# Altium PCB multiplexor.PcbDoc (part 2 of 2)
Units mil, origin at the board's own origin, x right, y up, seen from the top; angles counter-clockwise.
Board outline 12350 x 17300 mil, 4 copper layers (Top Layer, Middle 1, Middle 2, Bottom Layer), stack 62.136 mil thick; 181 components, 213 nets, 913 pads, 101 vias.
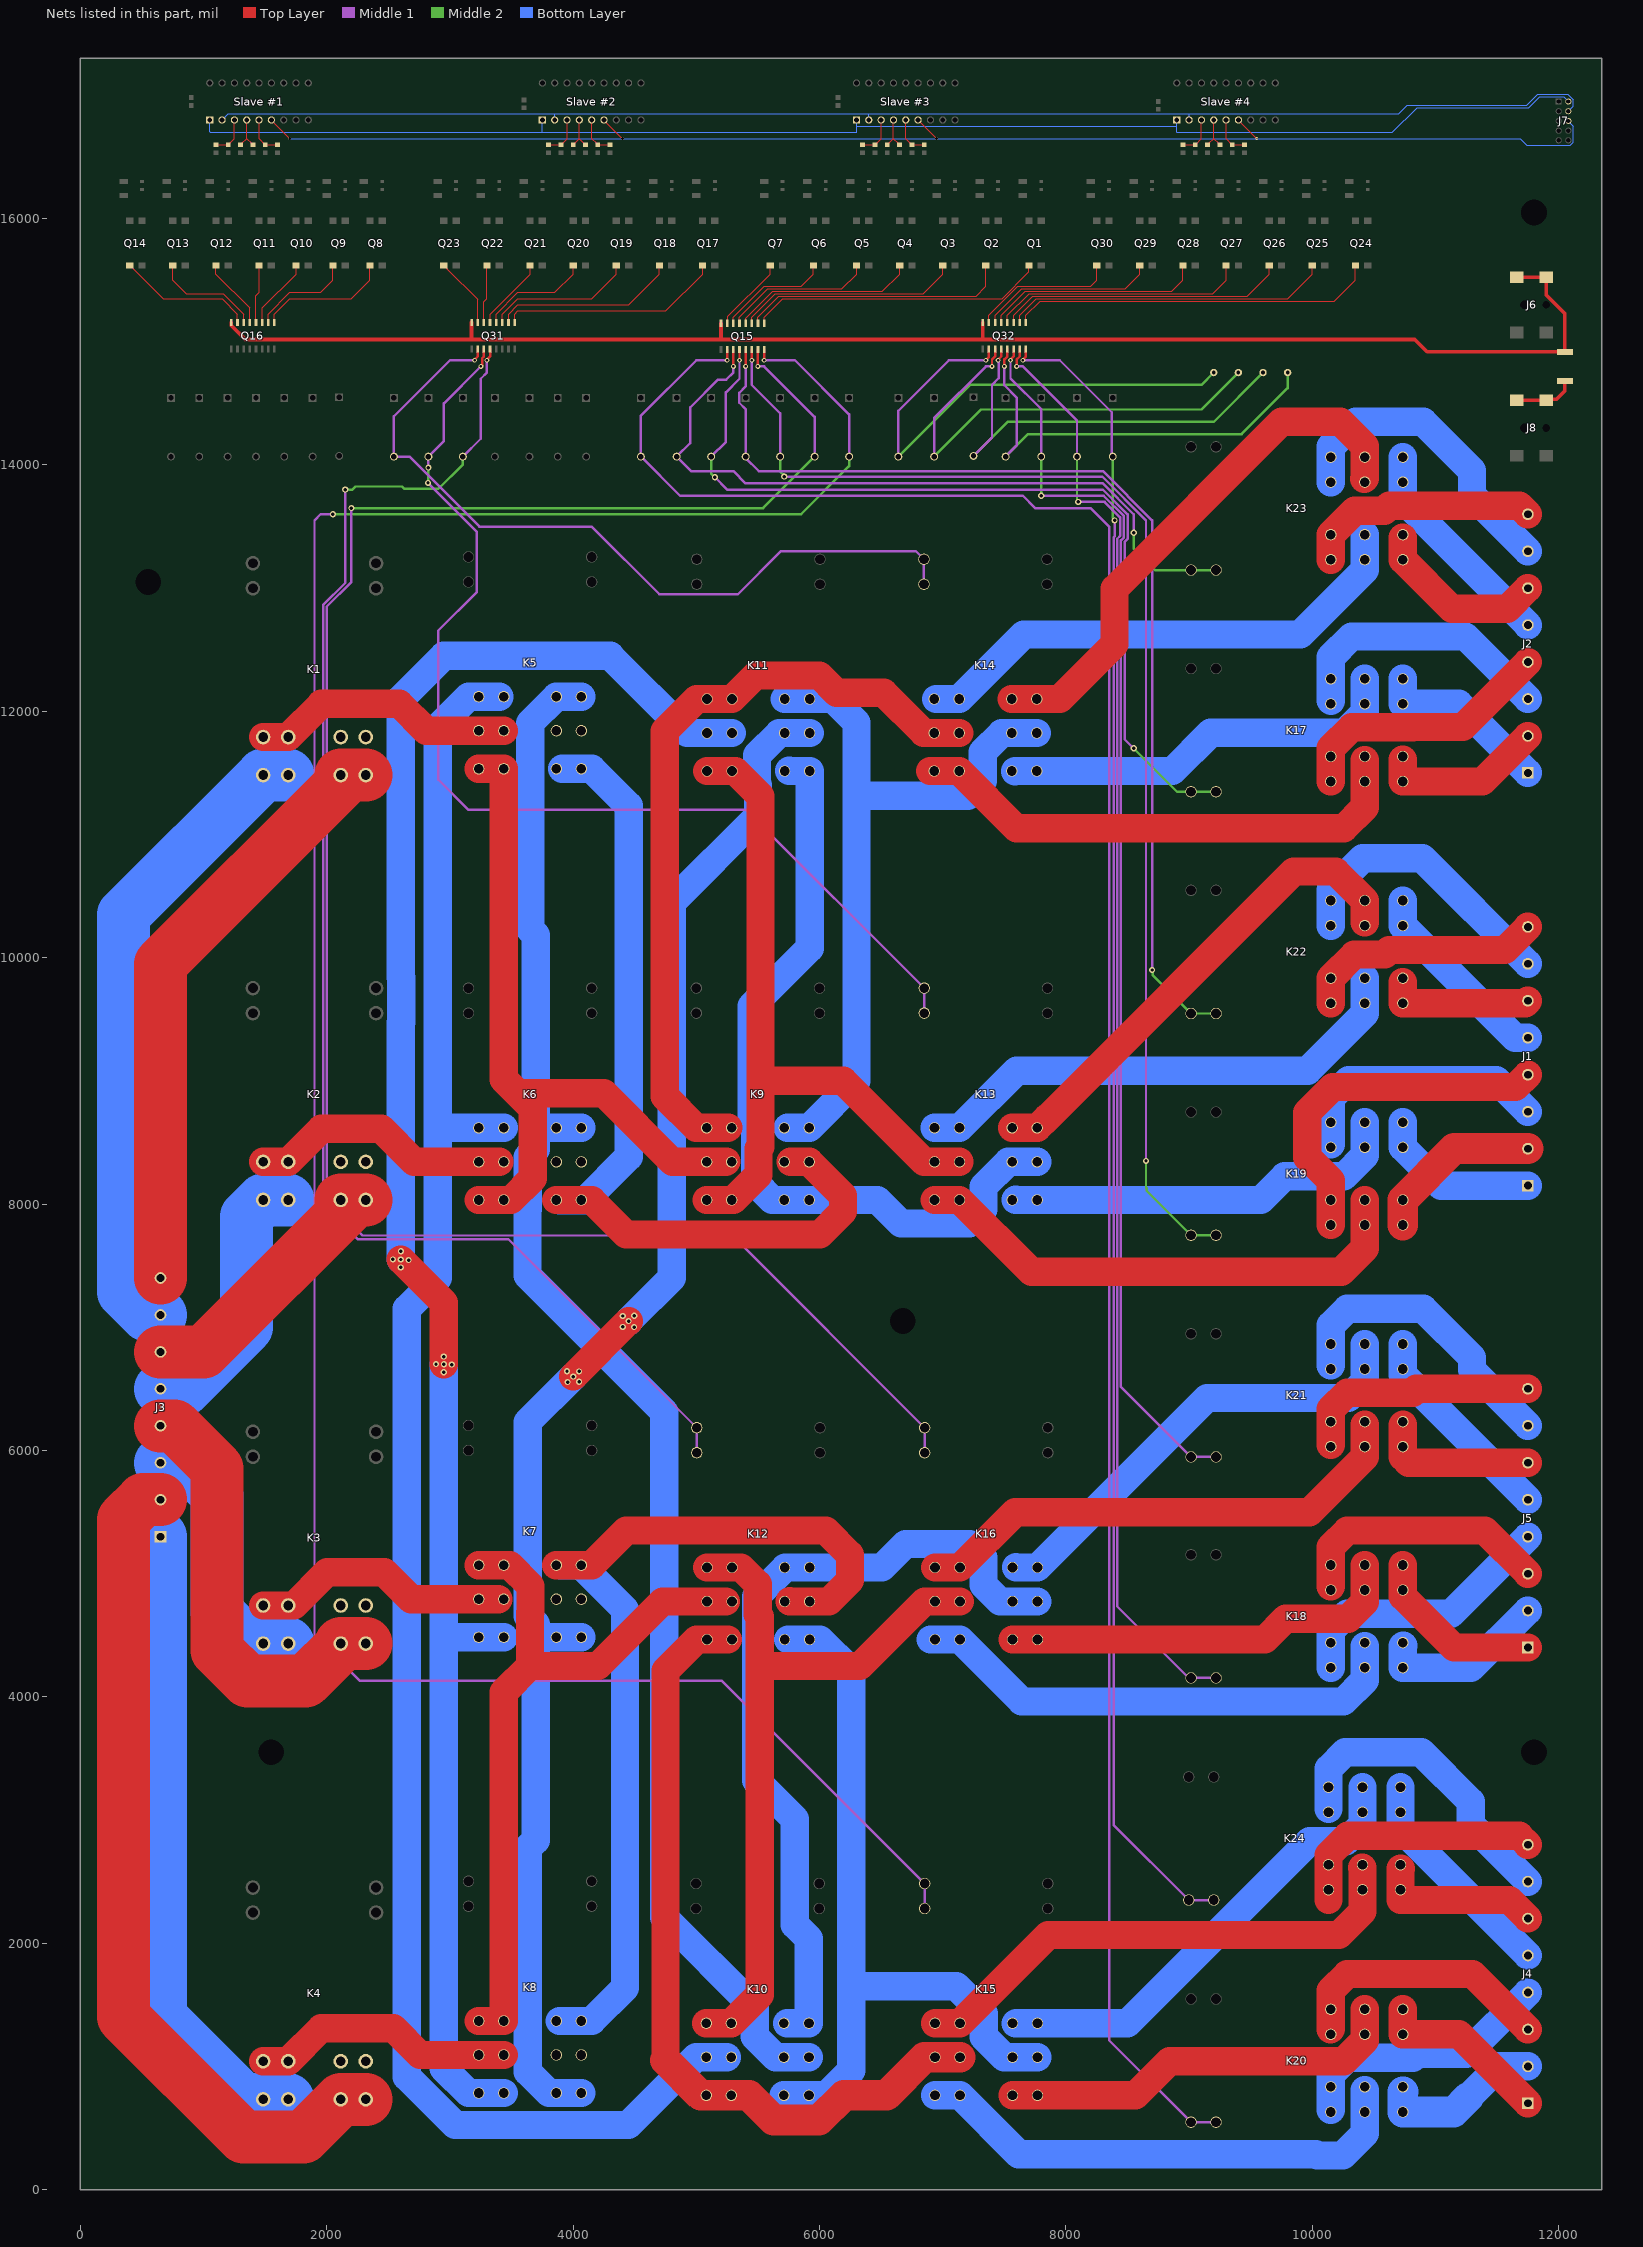
[diagram p4: the nets of this part, all layers, seen from the top]

## Via types
v1: diameter 50, hole 28, Top Layer to Bottom Layer, 41 vias
v2: diameter 22, hole 22, Top Layer to Bottom Layer, 31 vias
v3: diameter 40, hole 20, Top Layer to Bottom Layer, 28 vias
v4: diameter 22, hole 10, Top Layer to Bottom Layer, 1 vias

## Nets (pads, with @x,y where several pads share a name; then routed paths per layer and width w, separated by ;. In a path a pad name is that pad's centre, name@x,y a point inside that pad or via, vN(x,y) a via of type N, cw(c..) or ccw(c..) an arc to the next point about the centre after c; other vN are vias at no path point) (continued)
NetCR12_2: CR12.2 K12.1 K12.2 Q31.12 | length 11951.4
  Top Layer w20: v3(3300,14850) 3300,14855.41 3325,14880.41 Q31.12@3325,14942.75
  Middle 1 w20: v1(2150,13800) 2150,13042.43 1970,12862.43 1970,7994.09 2249.09,7715 3472.5,7715 K12.1@5003,6184.5 K12.2@5003,5981.5 ; CR12.2@3105,14068 3250,14213 3250,14700 3300,14750 v3(3300,14850)
  Middle 2 w20: v1(2150,13800) 2207.57,13800 2232.57,13825 2611.03,13825 2631.03,13805 2905,13805 3105,14005 CR12.2@3105,14068
NetCR13_2: CR13.2 K13.1 K13.2 Q31.11 | length 8826.8
  Top Layer w20: v3(3250,14800) 3250,14800.54 3260,14810.54 3260,14866.57 3275,14881.57 Q31.11@3275,14942.75
  Middle 1 w20: v1(2821.33,13853.75) 3216,13459.08 3216,12966 2905,12655 2905,11445 3150,11200 5403,11200 K13.1@6850,9753 K13.2@6850,9550 ; v1(2824.35,13978.69) 2824.67,13979.02 2824.67,14067.67 2950,14193 2950,14500 v3(3250,14800)
  Middle 2 w20: v1(2821.33,13853.75) 2821.81,13854.22 2821.81,13976.16 v1(2824.35,13978.69)
NetCR14_2: CR14.2 K14.1 K14.2 Q31.10 | length 6417.7
  Top Layer w20: v3(3200,14850) 3200,14855.41 3225,14880.41 Q31.10@3225,14942.75
  Middle 1 w20: v3(3200,14850) 3000,14850 2545,14395 CR14.2@2545,14068 2670.72,14068 3238.72,13500 4150,13500 4700,12950 5336.54,12950 5687.04,13300.5 6781,13300.5 K14.1@6847,13234.5 K14.2@6847,13031.5
  Middle 2 w20: CR14.2@2545,14068 CR14.2@2547.5,14065.5
NetCR15_2: CR15.2 K15.1 K15.2 Q15.16 | length 20940.9
  Top Layer w20: v3(5550,14850) Q15.16@5550,14935.5
  Middle 1 w20: v1(2050,13600) 1950,13600 1900,13550 1900,4500 2270,4130 5207.5,4130 K15.1@6853,2484.5 K15.2@6853,2281.5 ; v3(5550,14850) 5800,14850 6240,14410 CR15.2@6240,14068
  Middle 2 w20: v1(2050,13600) 5850,13600 6240,13990 CR15.2@6240,14068
NetCR16_2: CR16.2 K16.1 K16.2 Q15.15 | length 16557.5
  Top Layer w20: v3(5500,14800) Q15.15@5500,14935.5
  Middle 1 w20: v1(2200,13650) 2200,13050 2000,12850 2000,8033.62 2014.15,8019.46 2014.15,7992.36 2072.28,7934.23 2099.39,7934.23 2288.62,7745 5292.5,7745 K16.1@6853,6184.5 K16.2@6853,5981.5 ; v3(5500,14800) 5550,14800 5960,14390 CR16.2@5960,14068
  Middle 2 w20: v1(2200,13650) 5542,13650 CR16.2@5960,14068
NetCR17_2: CR17.2 K19.1 K19.2 Q15.14 | length 10380.3
  Top Layer w20: v3(5450,14850) Q15.14@5450,14935.5
  Middle 1 w20: v3(5450,14850) 5450,14650 5680,14420 CR17.2@5680,14068 ; v1(5714,13905) 8295,13905 8650,13550 v1(8650,8350)
  Middle 2 w20: CR17.2@5680,14068 5680,13947.11 5714,13913.12 v1(5714,13905) ; v1(8650,8350) 8650,8134.24 8655.74,8128.5 8655.74,8106.76 K19.1@9015.5,7747 K19.2@9218.5,7747
NetCR18_2: CR18.2 K22.1 K22.2 Q15.13 | length 8768.8
  Top Layer w20: v3(5400,14800) Q15.13@5400,14935.5
  Middle 1 w20: v3(5400,14800) 5400,14637.28 5348,14585.28 5348,14504.72 5400,14452.72 5400,14056.09 5506.09,13950 8300,13950 8700,13550 v1(8700,9900)
  Middle 2 w20: v1(8700,9900) 8705.74,9894.26 8705.74,9856.76 K22.1@9015.5,9547 K22.2@9218.5,9547
NetCR19_2: CR19.2 K17.1 K17.2 Q15.12 | length 7371.2
  Top Layer w20: v3(5350,14850) Q15.12@5350,14935.5
  Middle 1 w20: CR19.2@5120,14068 5239.02,14187.02 5239.02,14589.02 5350,14700 v3(5350,14850) ; v1(5150,13900) 5250,13800 8298.49,13800 8500,13598.49 8500,13398.84 8476.86,13375.7 8476.86,11773.14 v1(8550,11700)
  Middle 2 w20: CR19.2@5120,14068 5120,13930 v1(5150,13900) ; v1(8550,11700) 8903,11347 K17.1@9015.5,11347 K17.2@9218.5,11347
NetCR20_2: CR20.2 K23.1 K23.2 Q15.11 | length 6021.5
  Top Layer w20: v3(5300,14800) Q15.11@5300,14935.5
  Middle 1 w20: v3(5300,14800) 5300,14750 5242.45,14692.45 5175.17,14692.45 4950,14467.28 4950,14178 CR20.2@4840,14068 4958,13950 5300,13950 5400,13850 8300,13850 8550,13600 v1(8550,13450)
  Middle 2 w20: v1(8550,13450) 8550,13320 8723,13147 K23.1@9015.5,13147 K23.2@9218.5,13147
NetCR21_2: CR21.2 K20.1 K20.2 Q15.10 | length 18770.8
  Top Layer w20: v3(5250,14850) Q15.10@5250,14935.5
  Middle 1 w20: v3(5250,14850) 5000,14850 4550,14400 CR21.2@4550,14068 4868,13750 7650,13750 7750,13650 8200,13650 8350,13500 8350,1212.5 K20.1@9015.5,547 K20.2@9218.5,547
NetCR22_2: CR22.2 K24.1 K24.2 Q32.16 | length 13546.5
  Top Layer w20: v3(7650,14850) 7650,14855.41 7675,14880.41 Q32.16@7675,14942.75
  Middle 1 w20: v3(7650,14850) 7950,14850 8372.25,14427.75 8372.25,14075.75 CR22.2@8380,14068 ; v1(8395,13550) 8395,13421.12 8386.86,13412.98 8386.86,2960.14 K24.1@8997,2350 K24.2@9200,2350
  Middle 2 w20: CR22.2@8380,14068 8380,13573.12 8395,13558.12 v1(8395,13550)
NetCR23_2: CR23.2 K18.1 K18.2 Q32.15 | length 11773.9
  Top Layer w20: v3(7600,14800) 7600,14856.57 7625,14881.57 Q32.15@7625,14942.75
  Middle 1 w20: v3(7600,14800) 7650,14800 8090,14360 CR23.2@8090,14068 ; v1(8100,13700) 8313.64,13700 8440,13573.64 8440,13423.69 8416.86,13400.56 8416.86,4733.14 8997,4153 K18.1@9015.5,4153 K18.2@9218.5,4153
  Middle 2 w20: CR23.2@8090,14068 8090,13718.12 8100,13708.12 v1(8100,13700)
NetCR24_2: CR24.2 K21.1 K21.2 Q32.14 | length 10131.7
  Top Layer w20: v3(7550,14850) 7550,14855.41 7575,14880.41 Q32.14@7575,14942.75
  Middle 1 w20: v3(7550,14850) 7550,14702.72 7800,14452.72 CR24.2@7800,14068 ; v1(7800,13750) 8306.07,13750 8470,13586.07 8470,13411.27 8446.86,13388.13 8446.86,6515.64 K21.1@9015.5,5947 K21.2@9218.5,5947
  Middle 2 w20: v1(7800,13750) CR24.2@7800,14068
NetCR25_2: CR25.2 pad.4 Q32.13 | length 3609.8
  Top Layer w20: v3(7500,14800) 7500,14856.57 7525,14881.57 Q32.13@7525,14942.75
  Middle 1 w20: v3(7500,14800) 7500,14647.28 7600,14547.28 7600,14158 CR25.2@7510,14068
  Middle 2 w20: CR25.2@7510,14068 7692,14250 9425.51,14250 9800,14624.49 pad.4@9800,14750
NetCR26_2: CR26.2 pad.3 Q32.12 | length 3596.5
  Top Layer w20: v3(7450,14850) 7450,14855.41 7475,14880.41 Q32.12@7475,14942.75
  Middle 1 w20: CR26.2@7250,14073 7400,14223 7400,14650 7453.83,14703.83 7453.83,14846.17 v3(7450,14850)
  Middle 2 w20: CR26.2@7250,14073 7527,14350 9200,14350 pad.3@9600,14750
NetCR27_2: CR27.2 pad.2 Q32.11 | length 3861.6
  Top Layer w20: v3(7400,14800) 7400,14856.57 7425,14881.57 Q32.11@7425,14942.75
  Middle 1 w20: CR27.2@6930,14068 6930,14380 7350,14800 v3(7400,14800)
  Middle 2 w20: CR27.2@6930,14068 7312,14450 9100,14450 pad.2@9400,14750
NetCR28_2: CR28.2 pad.5 Q32.10 | length 4197.4
  Top Layer w20: v3(7350,14850) 7350,14852.21 7375,14877.21 Q32.10@7375,14942.75
  Middle 1 w20: CR28.2@6640,14068 6640,14440 7050,14850 v3(7350,14850)
  Middle 2 w20: CR28.2@6640,14068 7222,14650 9100,14650 pad.5@9200,14750
NetJ1_1: J1.1 K19.11 K19.12 | length 1346.6
  Bottom Layer w230: K19.11@10735,8663.42 K19.12@10735,8460.42 11045.42,8150 J1.1@11750,8150
NetJ1_2: J1.2 K19.5 K19.6 | length 1390.5
  Top Layer w250: K19.5@10735,7830.58 K19.6@10735,8033.58 11151.42,8450 J1.2@11750,8450
NetJ1_3: J1.3 K19.13 K19.14 | length 2143.4
  Bottom Layer w230: K19.14@10148.87,8484.77 10150,8485.89 K19.13@10150,8663.42 10150,8860.55 10296.45,9007 11493,9007 J1.3@11750,8750
NetJ1_4: J1.4 K19.3 K19.4 | length 2909.4
  Top Layer w230: K19.3@10150,7830.58 10150,8000 10150,8190.31 9959,8381.31 9959,8742.53 10166.47,8950 11650,8950 J1.4@11750,9050
NetJ1_5: J1.5 K22.11 K22.12 | length 1595.1
  Bottom Layer w230: K22.11@10735,10463.42 K22.12@10735,10260.42 11645.42,9350 J1.5@11750,9350
NetJ1_6: J1.6 K22.5 K22.6 | length 1196.5
  Top Layer w230: K22.6@10732.61,9803.04 10735,9800.65 K22.5@10735,9630.58 11730.58,9630.58 J1.6@11750,9650
NetJ1_7: J1.7 K22.13 K22.14 | length 2349.3
  Bottom Layer w230: K22.14@10150,10260.42 K22.13@10150,10463.42 10150,10547 10410,10807 10893,10807 J1.7@11750,9950
NetJ1_8: J1.8 K22.3 K22.4 | length 1975.5
  Top Layer w230: K22.3@10150,9630.58 K22.4@10150,9833.58 10341.71,10025.29 10587.17,10025.29 10624.92,10063.04 11563.04,10063.04 J1.8@11750,10250
NetJ2_1: J2.1 K17.11 K17.12 | length 1450.1
  Bottom Layer w230: K17.11@10735,12263.42 K17.12@10735,12060.42 11189.58,12060.42 J2.1@11750,11500
NetJ2_2: J2.2 K17.5 K17.6 | length 1345.7
  Top Layer w230: K17.6@10735.45,11608.07 10735,11607.62 K17.5@10735,11430.58 11380.58,11430.58 J2.2@11750,11800
NetJ2_3: J2.3 K17.13 K17.14 | length 2233.9
  Bottom Layer w230: K17.14@10152.45,12085.52 10150,12087.97 K17.13@10150,12263.42 10150,12438.7 10318.3,12607 11243,12607 J2.3@11750,12100
NetJ2_4: J2.4 K17.3 K17.4 | length 2159.1
  Top Layer w230: K17.3@10150,11430.58 10150,11699.59 10319.83,11869.42 10814.11,11869.42 10818.01,11873.32 11223.32,11873.32 J2.4@11750,12400
NetJ2_5: J2.5 K23.11 K23.12 | length 1783.8
  Bottom Layer w230: K23.11@10735,14063.42 K23.12@10735,13860.42 10735,13715 J2.5@11750,12700
NetJ2_6: J2.6 K23.5 K23.6 | length 1429.3
  Top Layer w230: K23.6@10733.47,13409.39 10735,13407.86 K23.5@10735,13230.58 11133.73,12831.85 11581.85,12831.85 J2.6@11750,13000
NetJ2_7: J2.7 K23.13 K23.14 | length 2522.6
  Bottom Layer w230: K23.14@10150,13860.42 10150,14147 10353,14350 10899.7,14350 11296.35,13953.35 11296.35,13753.65 J2.7@11750,13300
NetJ2_8: J2.8 K23.3 K23.4 | length 1929.4
  Top Layer w230: K23.3@10150,13230.58 K23.4@10150,13433.58 10344.12,13627.7 10584.08,13627.7 10625.77,13669.39 11680.61,13669.39 J2.8@11750,13600
NetJ3_1: J3.1 K4.6_1 K4.6_2 | length 5213.2
  Bottom Layer w430: J3.1@650,5300 650,1400 1317.72,732.28 K4.6_2@1686.61,732.28
NetJ3_2: J3.2 K4.2_1 K4.2_2 | length 7105.1
  Top Layer w430: J3.2@650,5600 509.03,5600 350,5440.97 350,1400 1321.95,428.05 1812.63,428.05 2116.86,732.28 K4.2_2@2316.54,732.28 K4.2_1@2113.39,732.28
NetJ3_3: J3.3 K3.6_1 K3.6_2 | length 2204.2
  Bottom Layer w430: J3.3@650,5900 850,5900 1110,5640 1110,4684.55 1362.27,4432.28 K3.6_2@1686.61,4432.28
NetJ3_4: J3.4 K3.2_1 K3.2_2 | length 3535.4
  Top Layer w430: J3.4@650,6200 763.3,6200 1110,5853.3 1110,4375.5 1357.45,4128.05 1828.05,4128.05 K3.2_1@2132.28,4432.28 ; K3.2_1@2113.39,4432.28 K3.2_2@2316.54,4432.28
NetJ3_5: J3.5 K2.6_1 K2.6_2 | length 2199
  Bottom Layer w430: J3.5@650,6500 850,6500 1350,7000 1350,7900 K2.6_1@1483.46,8033.46 K2.6_2@1686.61,8033.46
NetJ3_6: J3.6 K2.2_1 K2.2_2 | length 2380.6
  Top Layer w430: J3.6@650,6800 1000,6800 2233.46,8033.46 K2.2_2@2316.54,8033.46 K2.2_1@2113.39,8033.46
NetJ3_7: J3.7 K1.6_1 K1.6_2 | length 5245.6
  Bottom Layer w430: J3.7@650,7100 536.7,7100 350,7286.7 350,10348.82 K1.6_1@1483.46,11482.28 K1.6_2@1686.61,11482.28
NetJ3_8: J3.8 K1.2_1 K1.2_2 | length 4891.6
  Top Layer w430: J3.8@650,7400 650,9950 2113.39,11413.39 K1.2_1@2113.39,11482.28 K1.2_2@2316.54,11482.28
NetJ4_1: J4.1 K20.11 K20.12 | length 1450.1
  Top Layer w230: K20.11@10735,1463.42 K20.12@10735,1260.42 11189.58,1260.42 J4.1@11750,700
NetJ4_2: J4.2 K20.5 K20.6 | length 1331.8
  Bottom Layer w230: 11267.7,750 11517.7,1000 J4.2@11750,1000
  Bottom Layer w250: K20.5@10735,630.58 10735,794.18 K20.6@10735.53,794.71 ; K20.5@10735.53,630.58 11148.28,630.58 11267.7,750
NetJ4_3: J4.3 K20.13 K20.14 | length 2157.2
  Top Layer w230: K20.14@10147.8,1301.18 10150,1303.38 10150,1615.27 10284.73,1750 11300,1750 J4.3@11750,1300
NetJ4_4: J4.4 K20.3 K20.4 | length 2163.3
  Bottom Layer w230: K20.3@10150,647 10150,730.58 10150,750 10150,934.69 10284.73,1069.42 10814.11,1069.42 10844.69,1100 11250,1100 J4.4@11750,1600
NetJ4_5: J4.5 K24.11 K24.12 | length 1794.5
  Bottom Layer w230: K24.11@10716.5,3266.42 10716.5,2933.5 J4.5@11750,1900
NetJ4_6: J4.6 K24.5 K24.6 | length 1351.2
  Top Layer w230: K24.6@10718.26,2604.88 10716.5,2603.12 K24.5@10716.5,2433.58 10716.5,2350 11600,2350 J4.6@11750,2200
NetJ4_7: J4.7 K24.13 K24.14 | length 2542.5
  Bottom Layer w230: K24.14@10131.86,3090.08 10131.5,3090.43 10131.5,3415.27 10266.23,3550 10884.2,3550 11287.1,3147.1 11287.1,2962.9 J4.7@11750,2500
NetJ4_8: J4.8 K24.3 K24.4 | length 2078
  Top Layer w230: 10131.5,2350 K24.3@10131.5,2433.58 10131.5,2553 10131.5,2715.27 10287.58,2871.34 11678.66,2871.34 J4.8@11750,2800
NetJ5_1: J5.1 K18.11 K18.12 | length 1441.3
  Top Layer w230: K18.11@10735,5069.42 10735,4815 11150,4400 J5.1@11750,4400
NetJ5_2: J5.2 K18.5 K18.6 | length 1386.1
  Bottom Layer w230: K18.6@10737,4414.86 10735,4412.87 K18.5@10735,4236.58 11286.58,4236.58 J5.2@11750,4700
NetJ5_3: J5.3 K18.13 K18.14 | length 2120.2
  Top Layer w230: K18.14@10150,4895.87 K18.13@10150,5069.42 10150,5215.27 10284.73,5350 11400,5350 J5.3@11750,5000
NetJ5_4: J5.4 K18.3 K18.4 | length 2218.3
  Bottom Layer w230: K18.3@10150,4236.58 10150,4540.13 10284.73,4674.86 11124.86,4674.86 J5.4@11750,5300
NetJ5_5: J5.5 K21.11 K21.12 | length 1683.8
  Bottom Layer w230: K21.11@10735,6863.42 10735,6615 J5.5@11750,5600
NetJ5_6: J5.6 K21.5 K21.6 | length 1296.3
  Top Layer w230: K21.6@10736.59,6208.19 10735,6206.6 K21.5@10735,6030.58 10735,5947 10782,5900 J5.6@11750,5900
NetJ5_7: J5.7 K21.13 K21.14 | length 2434
  Bottom Layer w230: K21.14@10148.66,6689.57 10150,6690.92 10150,7015.27 10284.73,7150 10899.7,7150 11296.35,6753.35 11296.35,6653.65 J5.7@11750,6200
NetJ5_8: J5.8 K21.3 K21.4 | length 1956.2
  Top Layer w230: K21.3@10150,6047 10150,6130.58 10150,6150 10150,6334.69 10284.73,6469.42 10814.11,6469.42 10844.69,6500 J5.8@11750,6500
NetJ8_2: J8.2 J8.3 R16.2 | length 503.5
  Top Layer w30: J8.3@11659.84,14524.41 J8.2@11900,14524.41 11908.14,14532.54 11982.54,14532.54 12050,14600 R16.2@12050,14682
NetK1_4_1: K1.4_1 K1.4_2 K5.9 K5.10
NetK1_8_1: K1.8_1 K1.8_2 K5.7 K5.8 | length 2155
  Top Layer w230: K1.8_1@1483.46,11791.34 K1.8_2@1686.61,11791.34 1955.85,12060.57 2589.43,12060.57 2807.5,11842.5 3150,11842.5 K5.8@3436.58,11842.5
NetK2_4_1: K2.4_1 K2.4_2 K6.9 K6.10
NetK2_8_1: K2.8_1 K2.8_2 K6.7 K6.8 | length 2142
  Top Layer w230: K2.8_1@1483.46,8342.52 K2.8_2@1686.61,8342.52 1955.85,8611.75 2441.31,8611.75 2710.56,8342.5 K6.7@3233.58,8342.5 K6.8@3402.42,8342.5
NetK3_4_1: K3.4_1 K3.4_2 K7.9 K7.10
NetK3_8_1: K3.8_1 K3.8_2 K7.7 K7.8 | length 2111.5
  Top Layer w230: K3.8_1@1483.46,4741.34 K3.8_2@1686.61,4741.34 1732.63,4741.34 2001.87,5010.57 2466.9,5010.57 2684.97,4792.5 K7.7@3233.58,4792.5 K7.8@3393.11,4792.5
NetK4_4_1: K4.4_1 K4.4_2 K8.9 K8.10
NetK4_8_1: K4.8_1 K4.8_2 K8.7 K8.8 | length 2155
  Top Layer w230: K4.8_1@1483.46,1041.34 K4.8_2@1686.61,1041.34 1955.85,1310.57 2539.43,1310.57 2757.5,1092.5 K8.7@3233.58,1092.5 K8.8@3436.58,1092.5
NetK5_3: K5.3 K5.4 K6.3 K6.4 K10.7 K10.8 | length 15184.4
  Bottom Layer w230: K5.4@3401.5,12118.5 K5.3@3233.58,12118.5 3150,12118.5 2900,11868.5 2900,8618.5 ; K6.4@3436.58,8618.5 2900,8618.5 ; K10.8@5245.85,1073.56 5245.41,1074 K10.7@5080.58,1074 4997,1074 4446.5,523.5 3042.3,523.5 2650,915.8 2650,7150 2900,7400 2900,8618.5
NetK5_5: K5.5 K5.6 K6.5 K6.6 K9.7 K9.8 | length 6037.7
  Top Layer w230: K6.5@3233.58,8033.5 K6.6@3411.7,8033.5 ; K5.5@3233.58,11533.5 K5.6@3436.58,11533.5 3436.58,9013.42 3550,8900 ; K6.6@3436.58,8033.5 3495.72,8033.5 3672.42,8210.2 3672.42,8777.58 3550,8900 ; K9.8@5244.28,8345.74 5241.05,8342.5 K9.7@5083.58,8342.5 4807.5,8342.5 4250,8900 3550,8900
NetK5_11: K5.11 K5.12 K6.11 K6.12 K9.9 K9.10 | length 7407.3
  Top Layer w230: K6.12@3863.42,8033.5 K6.11@4066.42,8033.5 4150,8033.5 4430,7753.5 6003.5,7753.5 6191,7941 6191,8067.92 K9.9@5916.42,8342.5 5765.65,8342.5 5764.77,8341.62
  Bottom Layer w230: K6.12@3891.75,8029.05 4095.09,8029.05 4450,8383.96 4450,11233.5 4150,11533.5 K5.11@4066.42,11533.5 3910.25,11533.5
NetK5_13: K5.13 K5.14 K6.13 K6.14 K10.9 K10.10 | length 12857
  Bottom Layer w230: K6.13@4066.42,8618.5 3947,8618.5 3696.58,8618.5 ; K5.13@4066.42,12118.5 K5.14@3863.42,12118.5 3650.25,11905.33 3650.25,10231.23 3696.58,10184.9 3696.58,8618.5 ; K10.9@5913.42,1074 5643.19,1074 5474.58,1242.61 5474.58,1475.42 4740.5,2209.5 4740.5,6309.5 3629.4,7420.6 3629.4,7956.21 3631.75,7958.56 3631.75,8380.95 3696.58,8445.77 3696.58,8618.5
NetK7_3: K7.3 K7.4 K8.3 K8.4 K12.7 K12.8 | length 6118.1
  Top Layer w230: K8.3@3233.58,1368.5 K8.4@3436.58,1368.5 3436.58,4036.58 3650,4250 ; K7.3@3233.58,5068.5 3484.81,5068.5 3653.11,4900.2 3653.11,4684.8 3650,4681.69 3650,4250 ; 5237.42,4774 K12.7@5086.58,4774 4724.76,4774 4200.76,4250 3650,4250
NetK7_5: K7.5 K7.6 K8.5 K8.6 K11.7 K11.8 | length 15382.8
  Top Layer w230: v1(2600,7550) 2950,7200 v1(2950,6700)
  Bottom Layer w230: v1(2600,7550) 2600,9471.08 2604.23,9475.31 2604.23,9837.74 2600,9841.98 2600,12100 2950,12450 4300,12450 4926,11824 K11.7@5086.58,11824 ; 2950,4483.5 v1(2950,6700) ; K8.6@3436.58,783.5 K8.5@3233.58,783.5 3150,783.5 2950,983.5 2950,4450 2983.5,4483.5 3150,4483.5 K7.5@3233.58,4483.5 K7.6@3436.58,4483.5 ; K11.7@5099.04,11824 K11.8@5289.58,11824
  other v1: 2949.71,6635.08 3014.8,6696.82 2886.53,6701.12 2949.71,6761.9 2600.23,7485.85 2664.08,7545.06 2536.38,7550.86 2601.39,7617.03
NetK7_11: K7.11 K7.12 K8.11 K8.12 K11.9 K11.10 | length 12858.7
  Top Layer w230: v1(4000,6600) v1(4450,7050)
  Bottom Layer w230: 3696.58,4483.5 K7.12@3863.42,4483.5 K7.11@4066.42,4483.5 ; K8.12@3863.42,783.5 3804.28,783.5 3630.29,957.48 3630.29,2770.43 3696.58,2836.72 3696.58,4591.2 3630.14,4657.64 3630.14,6230.14 v1(4000,6600) ; K8.12@3902.31,783.5 K8.11@4066.42,783.5 ; v1(4450,7050) 4800,7400 4800,10450 5500,11150 5500,11401.85 5492.75,11409.11 5492.75,11642.75 5674,11824 K11.9@5919.42,11824
  other v1: 3954.95,6554.95 4048.14,6557.49 4048.14,6642.22 3949.87,6643.06 4494.63,7001.44 4402.28,7003.13 4402.28,7091.24 4495.48,7093.78
NetK7_13: K7.13 K7.14 K8.13 K8.14 K12.9 K12.10 | length 7742.2
  Top Layer w230: K7.14@3863.42,5068.5 K7.13@4066.42,5068.5 4150,5068.5 4431.5,5350 6050,5350 6247.45,5152.55 6247.45,4945.45 6076,4774 K12.9@5919.42,4774 5759.8,4774 K12.10@5757.42,4776.38
  Bottom Layer w230: K8.14@3890.29,1368.35 3890.44,1368.5 K8.13@4066.42,1368.5 4150,1368.5 4420,1638.5 4420,4650 4420,4709.03 4066.42,5062.61 K7.13@4066.42,5068.5 3896.43,5068.5 K7.14@3894.57,5070.36
NetK9_3: K9.3 K9.4 K11.3 K11.4 K14.7 K14.8 | length 6358.7
  Top Layer w230: K9.4@5258.68,8621.41 5255.77,8618.5 K9.3@5083.58,8618.5 5000,8618.5 4743,8875.5 4743,11840 5003,12100 K11.3@5086.58,12100 K11.4@5289.58,12100 5480.58,12291 5998.53,12291 6139.53,12150 6521,12150 6847,11824 K14.8@7133.58,11824
NetK9_5: K9.5 K9.6 K11.5 K11.6 K13.7 K13.8 | length 5945.3
  Top Layer w230: K9.5@5083.58,8033.5 5299.74,8033.5 5504.77,8238.53 5504.77,8449.32 5520.12,8464.66 5520.12,11310.15 ; K11.5@5086.58,11515 K11.6@5289.58,11515 5315.27,11515 5503.85,11326.42 ; 5543.12,9000 6192.5,9000 6850,8342.5 K13.7@6933.58,8342.5 K13.8@7136.58,8342.5
NetK9_11: K9.11 K9.12 K11.11 K11.12 K13.9 K13.10 | length 6417.5
  Bottom Layer w230: K9.12@5713.42,8033.5 5616.5,8033.5 5477.58,8172.42 5477.58,8697.61 5450,8725.19 5450,9606.75 5919.42,10076.17 K11.11@5919.42,11515 5754.55,11515 K11.12@5752.75,11516.8 ; K9.12@5752.31,8033.5 K9.11@5916.42,8033.5 6470.56,8033.5 6661.56,7842.5 7215.69,7842.5 7331.49,7958.3 7331.49,8142.49 7531.5,8342.5 K13.9@7766.42,8342.5
NetK9_13: K9.13 K9.14 K11.13 K11.14 K14.9 K14.10 | length 6098.7
  Bottom Layer w230: K11.14@5716.42,12100 K11.13@5919.42,12100 6108.84,12100 6300,11908.84 6300,11314 ; K9.14@5741.35,8617.04 5742.8,8618.5 K9.13@5916.42,8618.5 6300,9002.08 6300,9100 6300,11314 ; K14.9@7763.42,11824 7479.87,11824 7324.58,11668.71 7324.58,11435.89 7202.69,11314 6300,11314
NetK10_3: K10.3 K10.4 K12.3 K12.4 K16.7 K16.8 | length 6051.1
  Top Layer w230: K10.3@5080.58,1350 K10.4@5283.58,1350 5514.51,1580.93 5514.51,1650 5514.51,4651.59 5497.42,4668.69 5497.42,4915.27 5362.69,5050 K12.4@5289.58,5050 K12.3@5086.58,5050 ; 5643.13,4250 6329,4250 6853,4774 K16.7@6936.58,4774 K16.8@7139.58,4774
NetK10_5: K10.5 K10.6 K12.5 K12.6 K15.7 K15.8 | length 6573.4
  Top Layer w230: 4750,1050 4750,4212 5003,4465 K12.5@5086.58,4465 K12.6@5254.51,4465
  Top Layer w250: 4750,1050 5035,765 K10.5@5080.58,765 K10.6@5283.58,765 5426.16,765 5627.16,564 5996.68,564 6197.68,765 6544,765 6853,1074 K15.8@7139.58,1074
NetK10_11: K10.11 K10.12 K12.11 K12.12 K15.9 K15.10 | length 6353.2
  Bottom Layer w230: K10.12@5710.42,765 K10.11@5913.42,765 6055.7,765 6257,966.3 6257,1650 ; K12.12@5743.72,4464.76 5743.96,4465 K12.11@5919.42,4465 6003,4465 6257,4211 6257,1650 ; K15.9@7769.42,1074 7499.72,1074 7333.3,1240.42 7333.3,1426.4 7109.69,1650 6257,1650
NetK10_13: K10.13 K10.14 K12.13 K12.14 K16.9 K16.10 | length 6603.5
  Bottom Layer w230: K10.14@5736.22,1348.66 5737.56,1350 K10.13@5913.42,1350 5913.42,2036.58 5800,2150 5800,3005.99 5483.47,3322.52 5483.47,4811.16 5722.31,5050 K12.13@5919.42,5050 6507.5,5050 6698.5,5241 7218.69,5241 7330.58,5129.11 7330.58,4908.73 7465.31,4774 K16.9@7769.42,4774
NetK13_3: K13.3 K13.4 K22.7 K22.8 | length 4163.6
  Bottom Layer w230: K13.3@6933.58,8618.5 K13.4@7136.58,8618.5 7600.83,9082.75 9961.75,9082.75 10426,9547 K22.7@10426,9630.58 K22.8@10426,9833.58
NetK13_5: K13.5 K13.6 K19.7 K19.8 | length 4205.7
  Top Layer w230: K13.5@6933.58,8033.5 7033.58,8033.5 7053,8033.5 K13.6@7136.58,8033.5 7720.08,7450 10234.84,7450 10426,7641.16 K19.7@10426,7830.58 K19.8@10426,8033.58
NetK13_11: K13.11 K13.12 K19.9 K19.10 | length 3253.7
  Bottom Layer w230: K13.12@7591.49,8034.8 7592.79,8033.5 K13.11@7766.42,8033.5 9583.5,8033.5 9774.77,8224.77 10256.57,8224.77 10426,8394.2 K19.9@10426,8663.42
NetK13_13: K13.13 K13.14 K22.9 K22.10 | length 4001.1
  Top Layer w230: K13.14@7563.42,8618.5 K13.13@7766.42,8618.5 7847.92,8700 7850,8700 9850,10700 10189.42,10700 K22.9@10426,10463.42 10426,10285.73 K22.10@10426.44,10285.29
NetK14_3: K14.3 K14.4 K23.7 K23.8 | length 4199.3
  Bottom Layer w230: K14.3@6947,12100 K14.4@7133.58,12100 7657.08,12623.5 9902.5,12623.5 10426,13147 K23.7@10426,13230.58 K23.8@10426,13433.58
NetK14_5: K14.5 K14.6 K17.7 K17.8 | length 4260.8
  Top Layer w230: K14.5@6897,11515 K14.5@6930.58,11515 K14.6@7133.58,11515 ; 7050,11515 K14.6@7133.58,11515 ; K17.8@10423.2,11605.1 10426,11602.3 K17.7@10426,11430.58 10426,11221.73 10254.27,11050 7598.58,11050 K14.6@7133.58,11515
NetK14_11: K14.11 K14.12 K17.9 K17.10 | length 3309.5
  Bottom Layer w230: K14.12@7586.51,11513.35 7588.16,11515 K14.11@7763.42,11515 8865,11515 9175.52,11825.52 10260.15,11825.52 10426,11991.37 K17.9@10426,12263.42
NetK14_13: K14.13 K14.14 K23.9 K23.10 | length 4410.1
  Top Layer w230: K14.14@7560.42,12100 K14.13@7763.42,12100 7950,12100 8393.76,12543.76 8393.76,12993.76 9750,14350 10229.55,14350 10426,14153.55 K23.9@10426,14063.42 10426,13891.85 K23.10@10421.84,13887.7
NetK15_3: K15.3 K15.4 K24.7 K24.8 | length 4201.2
  Top Layer w230: K15.3@6936.58,1350 K15.4@7139.58,1350 7856.58,2067 10216.2,2067 10407.5,2258.3 K24.7@10407.5,2433.58 10407.5,2608.81 K24.8@10404.97,2611.34
NetK15_5: K15.5 K15.6 K20.7 K20.8 | length 4117.1
  Bottom Layer w230: K15.5@6936.58,765 K15.6@7139.58,765 7617.58,287 10028.16,287 10038.16,277 10247.7,277 10426,455.3 K20.7@10426,630.58 10426,806.54 K20.8@10425.69,806.86
NetK15_11: K15.11 K15.12 K20.9 K20.10 | length 3296.3
  Top Layer w230: K15.12@7566.42,765 K15.11@7769.42,765 7853,765 8565,765 8841.18,1041.18 10255.5,1041.18 10426,1211.68 K20.9@10426,1463.42
NetK15_13: K15.13 K15.14 K24.9 K24.10 | length 3786.9
  Bottom Layer w230: K15.14@7593.3,1348.12 7595.18,1350 K15.13@7769.42,1350 8500,1350 9977.58,2827.58 10272.77,2827.58 10407.5,2962.31 K24.9@10407.5,3266.42
NetK16_3: K16.3 K16.4 K21.7 K21.8 | length 4122.4
  Top Layer w230: K16.3@6936.58,5050 K16.4@7139.58,5050 7588.08,5498.5 9977.5,5498.5 10426,5947 10426,6207.66 K21.8@10425.47,6208.19
NetK16_5: K16.5 K16.6 K18.7 K18.8 | length 4081.2
  Bottom Layer w230: K16.5@6903,4465 K16.5@6936.58,4465 K16.6@7139.58,4465 7642.58,3962 10253.27,3962 10426,4134.73 10426,4410.31 K18.8@10427.94,4412.25
NetK16_11: K16.11 K16.12 K18.9 K18.10 | length 3285.6
  Top Layer w230: K16.12@7566.42,4465 K16.11@7769.42,4465 9615,4465 9784.87,4634.87 10291.27,4634.87 10426,4769.6 K18.9@10426,5069.42
NetK16_13: K16.13 K16.14 K21.9 K21.10 | length 3760.9
  Bottom Layer w230: K16.14@7595.05,5052.92 7597.97,5050 K16.13@7769.42,5050 9144.97,6425.55 10291.27,6425.55 10426,6560.28 K21.9@10426,6863.42
NetQ1_3: Q1.3 Q15.1 | length 2403.5
  Top Layer w10: Q15.1@5550,15150 5550,15200 5700,15350 7482.25,15350 7700,15567.75 Q1.3@7700,15618.9
NetQ2_3: Q2.3 Q15.2 | length 2172.5
  Top Layer w10: Q15.2@5500,15150 5500,15200 5670,15370 7270,15370 7350,15450 Q2.3@7350,15618.9
NetQ3_3: Q3.3 Q15.3 | length 1813.9
  Top Layer w10: Q15.3@5450,15150 5450,15200 5640,15390 6840,15390 7000,15550 Q3.3@7000,15618.9
NetQ4_3: Q4.3 Q15.4 | length 1508
  Top Layer w10: Q15.4@5400,15150 5400,15189.97 5620.03,15410 6510,15410 6650,15550 Q4.3@6650,15618.9
NetQ5_3: Q5.3 Q15.5 | length 1213.9
  Top Layer w10: Q15.5@5350,15150 5350,15200 5580,15430 6180,15430 6300,15550 Q5.3@6300,15618.9
NetQ6_3: Q6.3 Q15.6 | length 913.9
  Top Layer w10: Q15.6@5300,15150 5300,15200 5550,15450 5850,15450 5950,15550 Q6.3@5950,15618.9
NetQ7_3: Q7.3 Q15.7 | length 613.9
  Top Layer w10: Q15.7@5250,15150 5255.5,15155.5 5255.5,15205.5 5600,15550 Q7.3@5600,15618.9
NetQ8_3: Q8.3 Q16.1 | length 1075.6
  Top Layer w10: Q16.1@1575,15157.25 1575,15225 1700,15350 2200,15350 2350,15500 Q8.3@2350,15618.9
NetQ9_3: Q9.3 Q16.2 | length 825.6
  Top Layer w10: Q16.2@1525,15157.25 1525,15225 1700,15400 1950,15400 2050,15500 Q9.3@2050,15618.9
NetQ10_3: Q10.3 Q16.3 | length 575.6
  Top Layer w10: Q16.3@1475,15157.25 1475,15275 1750,15550 Q10.3@1750,15618.9
NetQ11_3: Q11.3 Q16.4 | length 472
  Top Layer w10: Q16.4@1425,15157.25 1425,15375 1450,15400 Q11.3@1450,15618.9
NetQ12_3: Q12.3 Q16.5 | length 575.6
  Top Layer w10: Q12.3@1100,15618.9 1100,15550 1375,15275 Q16.5@1375,15157.25
NetQ13_3: Q13.3 Q16.6 | length 875.6
  Top Layer w10: Q13.3@750,15618.9 750,15500 860.35,15389.65 1160.35,15389.65 1325,15225 Q16.6@1325,15157.25
NetQ14_3: Q14.3 Q16.7 | length 1105.9
  Top Layer w10: Q14.3@400,15618.9 403.94,15618.9 672.83,15350 1150,15350 1275,15225 Q16.7@1275,15157.25
NetQ17_3: Q17.3 Q31.1 | length 1796.3
  Top Layer w10: Q31.1@3525,15157.25 3525,15225 3550,15250 4750,15250 5050,15550 Q17.3@5050,15618.9
NetQ18_3: Q18.3 Q31.2 | length 1496.3
  Top Layer w10: Q31.2@3475,15157.25 3475,15225 3550,15300 4450,15300 4700,15550 Q18.3@4700,15618.9
NetQ19_3: Q19.3 Q31.3 | length 1196.3
  Top Layer w10: Q31.3@3425,15157.25 3425,15225 3550,15350 4150,15350 4350,15550 Q19.3@4350,15618.9
NetQ20_3: Q20.3 Q31.4 | length 896.3
  Top Layer w10: Q31.4@3375,15157.25 3375,15225 3549.95,15399.95 3849.95,15399.95 4000,15550 Q20.3@4000,15618.9
NetQ21_3: Q21.3 Q31.5 | length 596.3
  Top Layer w10: Q31.5@3325,15157.25 3325,15225 3650,15550 Q21.3@3650,15618.9
NetQ22_3: Q22.3 Q31.6 | length 472
  Top Layer w10: Q31.6@3275,15157.25 3275,15325 3300,15350 Q22.3@3300,15618.9
NetQ23_3: Q23.3 Q31.7 | length 577.9
  Top Layer w10: Q23.3@2950,15618.9 2953.94,15618.9 2974.53,15598.31 2974.53,15594.37 3225,15343.9 Q31.7@3225,15157.25
NetQ24_3: Q24.3 Q32.1 | length 2969.1
  Top Layer w10: Q32.1@7675,15157.25 7675,15213.97 7791.03,15330 10180,15330 10350,15500 Q24.3@10350,15618.9
NetQ25_3: Q25.3 Q32.2 | length 2640.1
  Top Layer w10: Q32.2@7625,15157.25 7625,15214.47 7760.53,15350 9800,15350 10000,15550 Q25.3@10000,15618.9
NetQ26_3: Q26.3 Q32.3 | length 2340.1
  Top Layer w10: Q32.3@7575,15157.25 7575,15214.47 7730.53,15370 9470,15370 9650,15550 Q26.3@9650,15618.9
NetQ27_3: Q27.3 Q32.4 | length 2069.4
  Top Layer w10: Q32.4@7525,15157.25 7525,15214.47 7700.53,15390 9190,15390 9300,15500 Q27.3@9300,15618.9
NetQ28_3: Q28.3 Q32.5 | length 1769.4
  Top Layer w10: Q32.5@7475,15157.25 7475,15214.47 7670.53,15410 8860,15410 8950,15500 Q28.3@8950,15618.9
NetQ29_3: Q29.3 Q32.6 | length 1440.1
  Top Layer w10: Q32.6@7425,15157.25 7425,15214.47 7640.53,15430 8480,15430 8600,15550 Q29.3@8600,15618.9
NetQ30_3: Q30.3 Q32.7 | length 1169.4
  Top Layer w10: Q32.7@7375,15157.25 7375,15214.47 7610.53,15450 8200,15450 8250,15500 Q30.3@8250,15618.9
NetR1_2: "Slave #1.3" R1.2 R2.2 | length 321.9
  Top Layer w10: R1.2@1100,16600 R2.2@1200,16600 1201.97,16600 1250,16648.03 1250,16800
NetR3_2: "Slave #1.4" R3.2 R4.2 | length 293.7
  Top Layer w10: R3.2@1300,16600 1301.97,16600 1314.69,16612.72 1314.69,16614.69 1350,16650 ; 1350,16800 1350,16650 ; R4.2@1400,16600 1398.03,16600 1385.31,16612.72 1385.31,16614.69 1350,16650
NetR5_2: "Slave #1.5" R5.2 R6.2 | length 321.9
  Top Layer w10: 1450,16800 1450,16648.03 1498.03,16600 R5.2@1500,16600 R6.2@1600,16600
NetR7_2: "Slave #2.3" R7.2 R8.2 | length 321.9
  Top Layer w10: R7.2@3800,16600 R8.2@3900,16600 3901.97,16600 3950,16648.03 3950,16800
NetR9_2: "Slave #2.4" R9.2 R10.2 | length 292.3
  Top Layer w10: R9.2@4000,16600 4001.97,16600 4046.84,16644.87 4053.16,16644.87 4098.03,16600 R10.2@4100,16600 ; 4050,16644.87 4050,16800
NetR11_2: "Slave #2.5" R11.2 R12.2 | length 321.9
  Top Layer w10: 4150,16800 4150,16650 4185.31,16614.69 4185.31,16612.72 4198.03,16600 R11.2@4200,16600 R12.2@4300,16600
NetR13_2: "Slave #4.3" R13.2 R14.2 | length 321.9
  Top Layer w10: R13.2@8950,16600 R14.2@9050,16600 9051.97,16600 9100,16648.03 9100,16800
NetR15_2: "Slave #4.4" R15.2 R23.2 | length 293.7
  Top Layer w10: R15.2@9150,16600 9151.97,16600 9164.69,16612.72 9164.69,16614.69 9200,16650 ; 9200,16800 9200,16650 ; R23.2@9250,16600 9248.03,16600 9235.31,16612.72 9235.31,16614.69 9200,16650
NetR17_2: "Slave #3.3" R17.2 R18.2 | length 321.9
  Top Layer w10: R17.2@6350,16600 R18.2@6450,16600 6451.97,16600 6500,16648.03 6500,16800
NetR19_2: "Slave #3.4" R19.2 R20.2 | length 293.7
  Top Layer w10: R19.2@6550,16600 6551.97,16600 6564.69,16612.72 6564.69,16614.69 6600,16650 ; 6600,16800 6600,16650 ; R20.2@6650,16600 6648.03,16600 6635.31,16612.72 6635.31,16614.69 6600,16650
NetR21_2: "Slave #3.5" R21.2 R22.2 | length 321.9
  Top Layer w10: 6700,16800 6700,16648.03 6748.03,16600 R21.2@6750,16600 R22.2@6850,16600
NetR24_2: "Slave #4.5" R24.2 R25.2 | length 321.9
  Top Layer w10: 9300,16800 9300,16648.03 9348.03,16600 R24.2@9350,16600 R25.2@9450,16600
"pwr gnd": J6.2 J6.3 Q15.8 Q16.8 Q31.8 Q32.8 R16.1 | length 12255.6
  Top Layer w30: Q16.8@1225,15157.25 1225,15132.64 1339.57,15018.07 3176.41,15018.07 ; Q31.8@3175,15157.25 3175,15019.48 3176.41,15018.07 ; 5199.36,15019.97 5200,15020.6 Q15.8@5200,15150 ; Q32.8@7325,15157.25 7325,15019.91 7325.73,15019.18 ; J6.3@11659.84,15524.41 J6.2@11900,15524.41 11900,15379.9 12050,15229.9 R16.1@12050,14918 10932,14918 10831.93,15018.07 3176.41,15018.07
RST: "Slave #1.6" "Slave #2.6" "Slave #3.6" "Slave #4.6" J7.06 | length 11488.8
  Top Layer w10: 1550,16800 v2(1700,16650) ; 4250,16800 v2(4400,16650) ; 6800,16800 v2(6950,16650) ; 9400,16800 v4(9550,16650)
  Bottom Layer w10: v2(1700,16650) v2(4400,16650) v2(6950,16650) v4(9550,16650) 11686.36,16650 11740.71,16595.65 12095.06,16595.65 12118.13,16618.72 12118.13,16749.14 12078.74,16788.53 J7.06@12078.74,16792.52
SCL: "Slave #1.1" "Slave #2.1" "Slave #3.1" "Slave #4.1" J7.02 | length 11561.5
  Bottom Layer w10: 1050,16800 1050,16705.86 1055.86,16700 3750,16700 ; 3750,16800 3750,16700 ; 6300,16800 6300,16750 ; 8900,16800 8900,16750 ; J7.02@12078.74,16950 12039.35,16989.39 11845.25,16989.39 11755.86,16900 10850,16900 10650,16700 8900,16700 8900,16750 ; 3750,16700 6300,16700 6300,16750 ; 6300,16750 8900,16750
SDA: "Slave #1.2" "Slave #2.2" "Slave #3.2" "Slave #4.2" J7.04 | length 11334.1
  Bottom Layer w10: 1150,16800 1200,16850 3850,16850 ; 3850,16800 3850,16850 ; 6400,16800 6400,16850 ; 9000,16800 9000,16850 ; J7.04@12078.74,16871.26 12118.13,16910.65 12118.13,16966.32 12075.06,17009.39 11831.11,17009.39 11741.72,16920 10770,16920 10700,16850 9000,16850 ; 3850,16850 6400,16850 ; 6400,16850 9000,16850
pads on no net: "Slave #1.7" "Slave #1.8" "Slave #1.17" "Slave #2.7" "Slave #2.8" "Slave #2.17" "Slave #3.7" "Slave #3.8" "Slave #3.17" "Slave #4.7" "Slave #4.8" "Slave #4.17" J6.4 J6.5 J7.05 J8.4 J8.5 Q15.9 Q16.9 Q31.9 Q32.9

## Polygon pours and split planes (outlines as drawn)
+19 on Top Layer "+19_L01_P002" (solid, pour order 2): 50,17250 12300,17250 12300,50 50,50
GND on Top Layer "GND_L01_P000" (solid, pour order 0): 50,17250 12300,17250 12300,15250 50,15250
+19 on Middle 1 "+19_L02_P010" (solid, pour order 10): 50,17250 12300,17250 12300,50 50,50
GND on Middle 1 "GND_L02_P003" (solid, pour order 3): 50,17250 12300,17250 12300,14650 50,14650
+19 on Middle 1 "+19_L02_P001" (solid, pour order 1): 12300,16750 12300,14500 11900,14500 11900,16750
GND on Middle 2 "GND_L03_P009" (solid, pour order 9): 50,17250 12300,17250 12300,50 50,50
NetK1_4_1 on Middle 2 "NETK1_4_1_L03_P007" (solid, pour order 7): 1950,12250 1950,11400 4400,11400 4400,12250
NetK2_4_1 on Middle 2 "NETK2_4_1_L03_P008" (solid, pour order 8): 1900,7950 1900,8700 4350,8700 4350,7950
NetK3_4_1 on Middle 2 "NETK3_4_1_L03_P006" (solid, pour order 6): 1900,5100 4400,5100 4400,4400 1900,4400
NetK4_4_1 on Middle 2 "NETK4_4_1_L03_P005" (solid, pour order 5): 1860.35,1482.47 4360.35,1482.47 4360.35,632.47 4160.35,632.47 1860.35,632.47
"pwr gnd" on Bottom Layer "PWR_GND_L04_P004" (solid, pour order 4): 12300,50 12300,17250 50,17250 50,50

## Keep-outs
Keep-Out Layer:
  the board outline again, w10

## Silkscreen, mask and mechanical layers (free items; w line width, h text height)
Top Overlay:
  drawing of 160 lines, arcs and shapes, not listed
  text "4,5" at 9271.98,14846.99 h60
  text "4,4" at 9588.07,14839.88 h60
  text "4,3" at 9895.28,14736.89 h60
  text "4,6" at 8929.25,14726.23 h60
  text "3,5" at 11110,14029.99 h60
  text "1,4" at 3510,13629.99 h60
  text "2,1" at 5260,13629.99 h60
  text "2,6" at 7310,13629.99 h60
  text "1+" at 12110,13610 h60
  text "1,0" at 1860,13479.99 h60
  text "1-" at 12110,13310 h60
  text "2+" at 12110,13010 h60
  text "2-" at 12110,12710 h60
  text "3+" at 12110,12410 h60
  text "3,4" at 11110,12379.99 h60
  text "3-" at 12110,12110 h60
  text "4+" at 12110,11810 h60
  text "4-" at 12110,11510 h60
  text "1 2 3 4 5 6 7 8 9 10 11 12 13 14 15 16" at 1854,11196 h32 r270
  text "1  2  3  4" at 360.42,10869.64 h50 r270
  text "3,3" at 11110,10329.99 h60
  text "5+" at 12110,10260 h60
  text "1,5" at 3860,10129.99 h60
  text "2,2" at 5260,10129.99 h60
  text "2,5" at 7260,10129.99 h60
  text "1,1" at 2060,10029.99 h60
  text "5-" at 12110,9960 h60
  text "6+" at 12110,9660 h60
  text "6-" at 12110,9360 h60
  text "7+" at 12110,9060 h60
  text "3,2" at 11110,8829.99 h60
  text "7-" at 12110,8760 h60
  text "8+" at 12110,8460 h60
  text "8-" at 12110,8160 h60
  text "1-" at 160,7410 h60
  text "1+" at 160,7110 h60
  text "2-" at 160,6810 h60
  text "4,2" at 11110,6729.99 h60
  text "1,6" at 3510,6579.99 h60
  text "2,3" at 5360,6579.99 h60
  text "3,1" at 7360,6579.99 h60
  text "2+" at 160,6510 h60
  text "9+" at 12110,6510 h60
  text "1,2" at 1760,6429.99 h60
  text "3-" at 160,6210 h60
  text "9-" at 12110,6210 h60
  text "3+" at 160,5910 h60
  text "10+" at 12110,5910 h60
  text "4-" at 160,5610 h60
  text "10-" at 12110,5610 h60
  text "4+" at 160,5310 h60
  text "11+" at 12110,5310 h60
  text "11-" at 12110,5010 h60
  text "4,1" at 11110,4929.99 h60
  text "12+" at 12110,4710 h60
  text "12-" at 12110,4410 h60
  text "4,0" at 11110,3129.99 h60
  text "1,3" at 1760,2879.99 h60
  text "2,0" at 3660,2879.99 h60
  text "2,4" at 5760,2879.99 h60
  text "3,0" at 7260,2879.99 h60
  text "13+" at 12110,2810 h60
  text "13-" at 12110,2510 h60
  text "14+" at 12110,2160 h60
  text "14-" at 12110,1910 h60
  text "15+" at 12110,1610 h60
  text "15-" at 12110,1310 h60
  text "16+" at 12110,1010 h60
  text "3,6" at 11110,829.99 h60
  text "16-" at 12110,710 h60
Bottom Overlay:
  text "Automation Relay PCB / V1.1 / Date: 9/10/2022" at 11200,16600 h60
Mechanical 1:
  the board outline again, w10

## Text inside footprints (layer, text, board x,y; h text height)
K5: Top Overlay "*" at 3137.5,13560 h50; Mechanical 13 "*" at 3137.5,13203 h50
K6: Top Overlay "*" at 3137.5,10060 h50; Mechanical 13 "*" at 3137.5,9703 h50
K7: Top Overlay "*" at 3137.5,6510 h50; Mechanical 13 "*" at 3137.5,6153 h50
K8: Top Overlay "*" at 3137.5,2810 h50; Mechanical 13 "*" at 3137.5,2453 h50
K9: Top Overlay "*" at 4987.5,10060 h50; Mechanical 13 "*" at 4987.5,9703 h50
K10: Top Overlay "*" at 4984.5,2791.5 h50; Mechanical 13 "*" at 4984.5,2434.5 h50
K11: Top Overlay "*" at 4990.5,13541.5 h50; Mechanical 13 "*" at 4990.5,13184.5 h50
K12: Top Overlay "*" at 4990.5,6491.5 h50; Mechanical 13 "*" at 4990.5,6134.5 h50
K13: Top Overlay "*" at 6837.5,10060 h50; Mechanical 13 "*" at 6837.5,9703 h50
K14: Top Overlay "*" at 6834.5,13541.5 h50; Mechanical 13 "*" at 6834.5,13184.5 h50
K15: Top Overlay "*" at 6840.5,2791.5 h50; Mechanical 13 "*" at 6840.5,2434.5 h50
K16: Top Overlay "*" at 6840.5,6491.5 h50; Mechanical 13 "*" at 6840.5,6134.5 h50
K17: Top Overlay "*" at 8708.5,11334.5 h50 r90; Mechanical 13 "*" at 9065.5,11334.5 h50 r90
K18: Top Overlay "*" at 8708.5,4140.5 h50 r90; Mechanical 13 "*" at 9065.5,4140.5 h50 r90
K19: Top Overlay "*" at 8708.5,7734.5 h50 r90; Mechanical 13 "*" at 9065.5,7734.5 h50 r90
K20: Top Overlay "*" at 8708.5,534.5 h50 r90; Mechanical 13 "*" at 9065.5,534.5 h50 r90
K21: Top Overlay "*" at 8708.5,5934.5 h50 r90; Mechanical 13 "*" at 9065.5,5934.5 h50 r90
K22: Top Overlay "*" at 8708.5,9534.5 h50 r90; Mechanical 13 "*" at 9065.5,9534.5 h50 r90
K23: Top Overlay "*" at 8708.5,13134.5 h50 r90; Mechanical 13 "*" at 9065.5,13134.5 h50 r90
K24: Top Overlay "*" at 8690,2337.5 h50 r90; Mechanical 13 "*" at 9047,2337.5 h50 r90
Q15: Top Overlay "*" at 5600,15150 h50 r270; Mechanical 13 "*" at 5518.5,15118.75 h50 r270
Q16: Top Overlay "*" at 1591,15179.75 h50 r270; Mechanical 13 "*" at 1543.5,15126 h50 r270
Q31: Top Overlay "*" at 3600,15150 h50 r270; Mechanical 13 "*" at 3493.5,15126 h50 r270
Q32: Top Overlay "*" at 7700,15150 h50 r270; Mechanical 13 "*" at 7643.5,15126 h50 r270
"Slave #1": Top Overlay "*" at 1000,16750 h50 r90; Mechanical 13 "*" at 1075,16807.5 h50 r90
"Slave #2": Top Overlay "*" at 3700,16750 h50 r90; Mechanical 13 "*" at 3775,16807.5 h50 r90
"Slave #3": Top Overlay "*" at 6250,16750 h50 r90; Mechanical 13 "*" at 6325,16807.5 h50 r90
"Slave #4": Top Overlay "*" at 8850,16750 h50 r90; Mechanical 13 "*" at 8925,16807.5 h50 r90